# KiCad board SCART_switcher.kicad_pcb (continued)
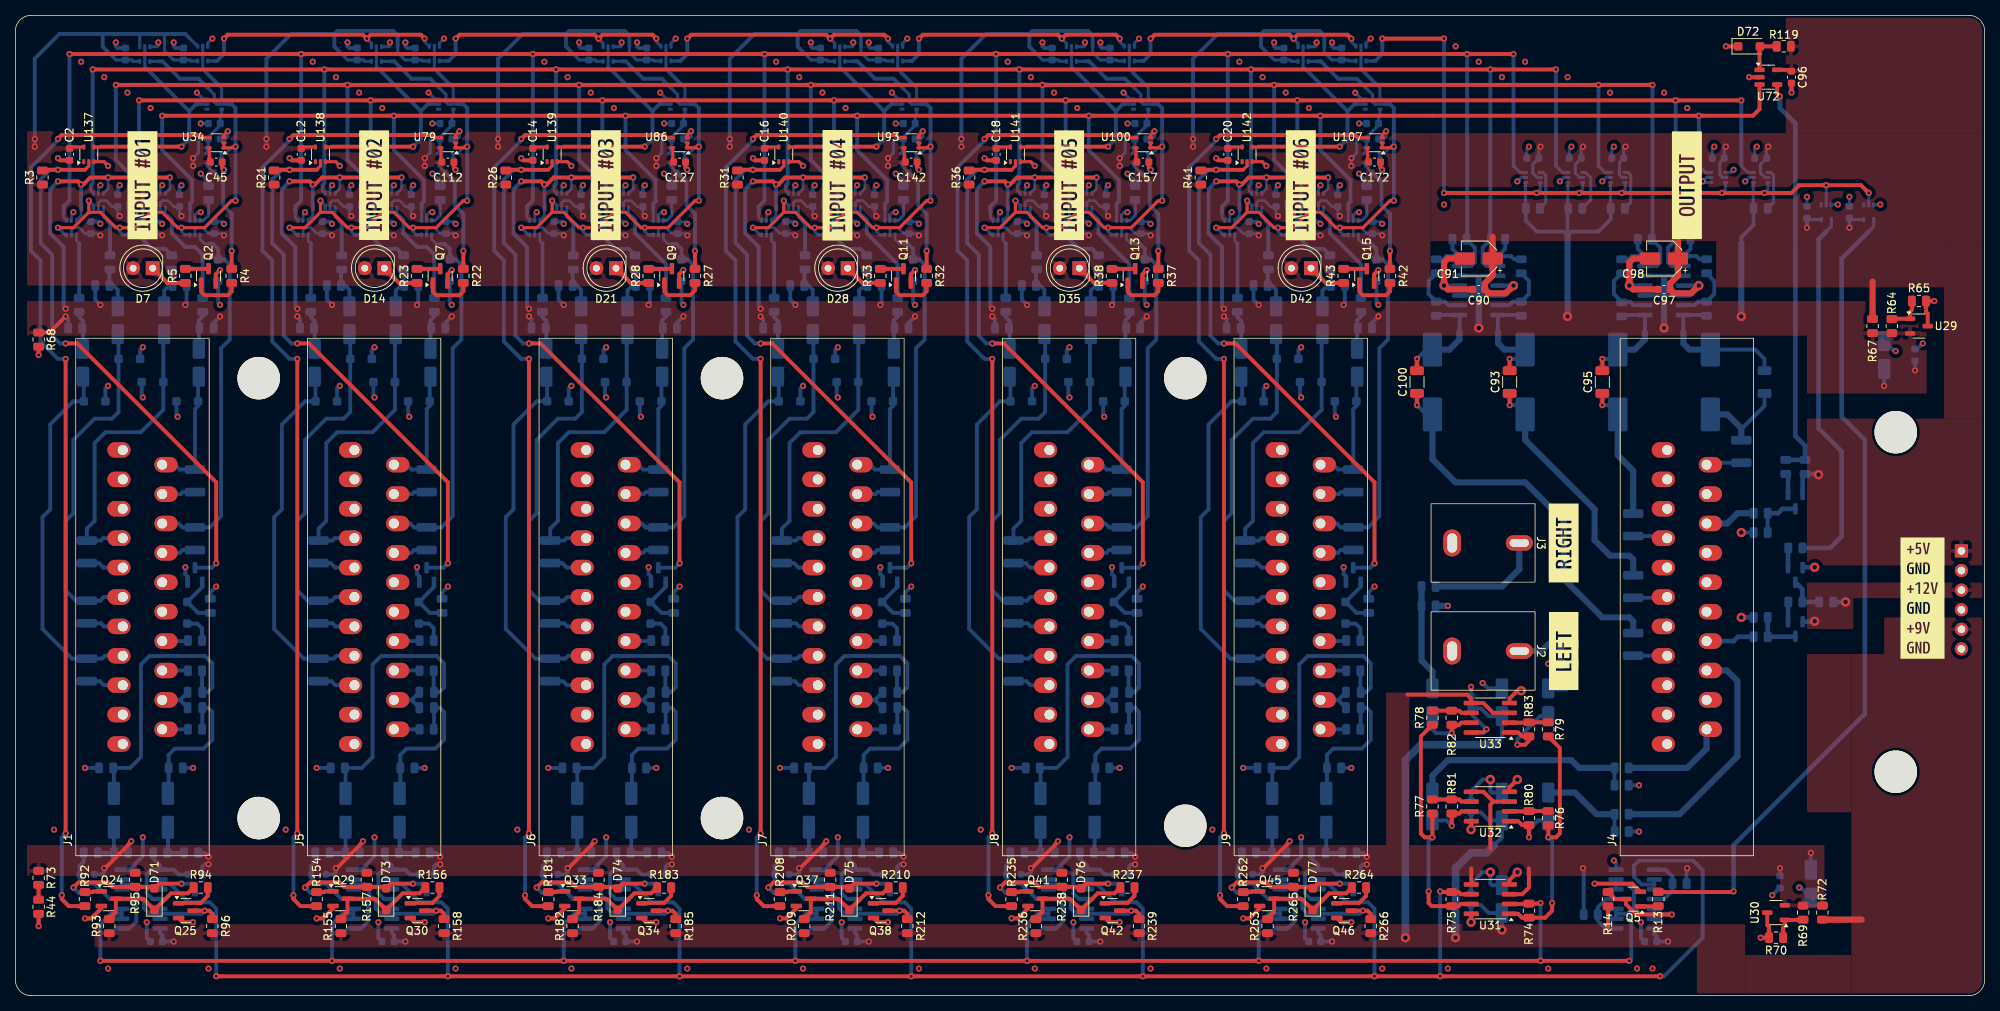
[diagram p0: board, top side]
## Routing (per net, layer and track width the routed paths; a pad name or vN(x,y) marks a point on that pad's centre or on a via; arc(x,y) is an arc through that point) (continued)
  Top w0.5: v1(23,9.5) 21.67,9.5 Q25.2 ; Q45.2 161.12,11.3 159.82,10 v1(159,10) ; v1(177,107) 176.77,107.22 C172.2 ; v1(69,10) 69.82,10 71.12,11.3 Q33.2 ; C157.2 146.77,107.22 v1(147,107) ; v1(113,9.5) 111.67,9.5 Q38.2 ; C45.2 26.77,107.22 v1(27,107) ; Q13.2 145.95,93.45 v1(146.5,94) ; v2(194.5,28) 193.47,26.97 U32.4 ; Q9.2 85.95,93.45 v1(86.5,94) ; v1(5.5,108.5) 5.77,108.22 C2.2 ; U29.3 247.64,88.36 247.41,88.59 R65.2 v1(248.5,90) ; v1(125.5,108.5) 125.77,108.22 C18.2 ; v1(143,9.5) 141.67,9.5 Q42.2 ; Q34.2 81.67,9.5 v1(83,9.5) ; v1(95.5,108.5) 95.77,108.22 C16.2 ; v1(87,107) 86.77,107.22 C127.2 ; U72.2 v1(224.5,119) ; Q15.2 175.95,93.45 v1(176.5,94) ; C142.2 116.77,107.22 v1(117,107) ; Q24.2 11.12,11.3 9.82,10 v1(9,10) ; Q41.2 131.12,11.3 129.82,10 v1(129,10) ; Q2.2 25.95,93.45 v1(26.5,94) ; U31.4 193.47,14.97 v2(194.5,16) ; Q46.2 171.67,9.5 v1(173,9.5) ; D72.1 v1(221.5,123) ; v1(99,10) 99.82,10 101.12,11.3 Q37.2 ; Q30.2 51.67,9.5 v1(53,9.5) ; v1(116.5,94) 115.95,93.45 Q11.2 ; v2(195,39.5) 194.5,39.5 193.47,38.47 U33.4 ; R44.2 v1(3,9) ; C14.2 65.77,108.22 v1(65.5,108.5) ; Q7.2 55.95,93.45 v1(56.5,94) ; C20.2 155.77,108.22 v1(155.5,108.5) ; v1(226,7.5) R70.2 227.09,8.91 226.86,9.14 U30.3 ; v1(57,107) 56.77,107.22 C112.2 ; v1(39,10) 39.82,10 41.12,11.3 Q29.2 ; C96.2 v1(230,117) ; v1(35.5,108.5) 35.77,108.22 C12.2 ; v1(3,83) R68.2 ; Q5.2 209.39,14.5 v1(204.5,14.5)
  Top w0.8: C98.2 209.5,95.5 209,95 v2(209,92) 209.5,91.5 C97.2 ; C91.2 185.5,95.5 185,95 v2(185,92) 185.5,91.5 C90.2
  Bottom w0.35: v1(71,105) 70.75,104.75 U81.2 ; C137.2 116.72,100.27 v1(117,100) ; U102.2 160.75,104.75 v1(161,105) ; U77.2 37.25,101.25 v1(37.5,101.5) ; v1(157.5,101.5) 157.25,101.25 U105.2 ; U63.2 7.25,101.25 v1(7.5,101.5) ; U88.2 100.75,104.75 v1(101,105) ; U74.2 40.75,104.75 v1(41,105) ; U64.2 18.75,104.75 v1(19,105) ; v1(109,105) 108.75,104.75 U92.2 ; U96.2 135.25,101.25 v1(135.5,101.5) ; U60.2 10.75,104.75 v1(11,105) ; U82.2 75.25,101.25 v1(75.5,101.5) ; v1(97.5,101.5) 97.25,101.25 U91.2 ; v1(165.5,101.5) 165.25,101.25 U103.2 ; v1(105.5,101.5) 105.25,101.25 U89.2 ; v1(127.5,101.5) 127.25,101.25 U98.2 ; C122.2 86.72,100.27 v1(87,100) ; U85.2 78.75,104.75 v1(79,105) ; v1(169,105) 168.75,104.75 U106.2 ; C167.2 176.72,100.27 v1(177,100) ; U99.2 138.75,104.75 v1(139,105) ; C152.2 146.72,100.27 v1(147,100) ; C79.2 26.72,100.27 v1(27,100) ; v1(67.5,101.5) 67.25,101.25 U84.2 ; U75.2 45.25,101.25 v1(45.5,101.5) ; v1(15.5,101.5) 15.25,101.25 U61.2 ; v1(57,100) 56.72,100.27 C107.2 ; v1(131,105) 130.75,104.75 U95.2 ; U78.2 48.75,104.75 v1(49,105)
  Bottom w0.4: U45.3 114.35,116.15 v1(113.5,117) ; v1(25.5,124) 24.9,123.4 U38.3 ; U37.3 18.35,122.95 18.5,123.1 v1(18.5,123.5) ; v1(57,107) 56.7,107.3 U12.3 ; v1(194.5,105.5) 195,106 U9.2 ; C60.2 114.25,113 ; U4.3 240.7,102.5 v1(241.5,102.5) ; U42.3 84.35,116.15 v1(83.5,117) ; U47.3 114.9,123.4 v1(115.5,124) ; C11.2 57.2,111 57.5,111.3 v1(57.5,112) ; v1(177.5,112) 177.5,111.3 177.2,111 C19.2 ; v1(196,110) 195.72,109.72 C8.2 ; v1(27.5,112) 27.5,111.3 27.2,111 C1.2 ; v1(175.5,124) 174.9,123.4 U53.3 ; U46.3 108.35,122.95 108.5,123.1 v1(108.5,123.5) ; U7.2 219,106 v1(218.5,105.5) 218.65,105.35 U7.1 ; v1(224,105.5) 224.5,106 U10.2 ; U18.3 146.7,107.3 v1(147,107) ; U104.2 173.25,101.15 173.6,101.5 v1(174,101.5) ; U36.3 24.35,116.15 v1(23.5,117) ; U7.4 222.15,106.65 v1(222.5,107) ; v1(117,107) 116.7,107.3 U16.3 ; U50.3 144.9,123.4 v1(145.5,124) ; C15.2 117.2,111 117.5,111.3 v1(117.5,112) ; C5.2 201.22,109.72 v1(201.5,110) ; U97.2 143.25,101.15 143.6,101.5 v1(144,101.5) ; v1(237.5,103.5) C4.2 ; U90.2 113.25,101.15 113.6,101.5 v1(114,101.5) ; C7.2 219.72,109.72 v1(220,110) ; U39.3 54.35,116.15 v1(53.5,117) ; v1(143.5,117) 144.35,116.15 U48.3 ; U40.3 48.35,122.95 48.5,123.1 v1(48.5,123.5) ; v1(27,107) 26.7,107.3 U2.3 ; v1(236,102.5) 235.2,102.5 U3.3 ; v1(87.5,112) 87.5,111.3 87.2,111 C13.2 ; v1(55.5,124) 54.9,123.4 U41.3 ; U6.2 206,106 v1(205.5,105.5) ; v1(54,101.5) 53.6,101.5 53.25,101.15 U76.2 ; v1(173.5,117) 174.35,116.15 U51.3 ; v1(87,107) 86.7,107.3 U14.3 ; v1(147.5,112) 147.5,111.3 147.2,111 C17.2 ; C9.2 225.22,109.72 v1(225.5,110) ; U49.3 138.35,122.95 138.5,123.1 v1(138.5,123.5) ; v1(168.5,123.5) 168.5,123.1 168.35,122.95 U52.3 ; U83.2 83.25,101.15 83.6,101.5 v1(84,101.5) ; v1(200,105.5) 200.5,106 U5.2 ; v1(177,107) 176.7,107.3 U20.3 ; v1(78.5,123.5) 78.5,123.1 78.35,122.95 U43.3 ; C57.2 84.25,113 ; v1(232,103.5) C3.2 ; C51.2 24.25,113 ; C54.2 54.25,113 ; U62.2 23.25,101.15 23.6,101.5 v1(24,101.5) ; C6.2 206.72,109.72 v1(207,110) ; v1(85.5,124) 84.9,123.4 U44.3 ; C66.2 174.25,113 ; C63.2 144.25,113
  Bottom w0.5: R202.2 100.91,40.74 101.43,40.21 J7.5 ; 110.39,57.36 111.25,57.36 111.62,57.74 R198.2 ; v1(20.5,123.5) 20.5,123 20.72,122.77 C53.2 ; C40.2 190.7,39.8 v1(190,40.5) ; v1(243.5,83.5) 243.3,83.5 C31.2 ; D16.2 76.15,83.65 v1(76.5,84) ; v1(11,100) 10.72,100.27 C82.2 ; R106.2 10.81,56.04 11.39,55.46 J1.13 ; J9.4 171.31,38.31 ; 171.31,38.31 171.31,38.29 C174.2 ; 171.31,38.31 C173.2 ; C55.2 43.22,122.77 43,123 v1(43,123.5) ; v1(161,100) 160.72,100.27 C170.2 ; C162.2 137,7.47 v1(137,9.5) ; R248.2 161.06,48.24 161.46,47.84 J9.9 ; v1(132,79) 131.65,78.65 D31.2 ; v1(107,9.5) 107,7.47 C147.2 ; 111.31,38.31 111.31,38.29 C144.2 ; 111.31,38.31 J7.4 ; 111.31,38.31 C143.2 ; R84.2 v1(210.25,21.25) ; 21.31,38.31 C46.2 ; 21.31,38.31 J1.4 ; 21.31,38.31 21.31,38.29 C47.2 ; R215.2 v1(99,29.5) ; v1(50.5,123.5) 50.5,123 50.72,122.77 C56.2 ; C165.2 163.25,104.75 v1(163.5,105) ; U80.7 44.75,16.31 46.5,18.06 v1(46.5,20.5) ; R269.2 v1(159,29.5) ; v1(146,53) 145.25,52.25 R35.2 ; 170.39,57.36 171.25,57.36 171.62,57.74 R252.2 ; v1(12,79) 11.65,78.65 D3.2 ; D15.2 76.35,77.65 v1(76.5,77.5) ; C110.2 40.72,100.27 v1(41,100) ; C106.2 48.72,100.27 v1(49,100) ; v1(51,75) 50.85,75.15 D11.2 ; v1(103.5,105) 103.25,104.75 C135.2 ; C78.2 18.72,100.27 v1(19,100) ; v1(111.5,105) 111.25,104.75 C141.2 ; v1(166.5,77.5) 166.35,77.65 D36.2 ; v1(13,123.5) 13,123 13.22,122.77 C52.2 ; C126.2 81.25,104.75 v1(81.5,105) ; v1(166.5,20.5) 166.5,18.06 164.75,16.31 U108.7 ; J1.18 21.38,64.98 21.64,65.24 R114.2 ; R25.2 85.25,52.25 v1(86,53) ; 80.39,57.36 81.25,57.36 81.62,57.74 R171.2 ; C36.2 188.5,26.5 190,28 v2(191,28) 191,26.5 191.2,26.3 C39.2 ; v1(22,55.5) 22,54.6 22.3,54.3 Q1.2 ; R222.2 130.81,56.04 131.39,55.46 J8.13 ; v1(116,53) 115.25,52.25 R30.2 ; v1(146.5,89.5) 146.25,89.75 D33.2 ; R149.2 51.64,65.24 51.38,64.98 J5.18 ; v1(114,106.5) 115,105.5 R201.2 ; v1(171.5,105) 171.25,104.75 C171.2 ; U8.7 207.27,17.22 v1(207,17.5) ; J9.13 161.39,55.46 160.81,56.04 R249.2 ; D23.2 106.15,83.65 v1(106.5,84) ; v1(77,9.5) 77,7.47 C132.2 ; v1(46.5,84) 46.15,83.65 D9.2 ; R113.2 10.91,40.74 11.43,40.21 J1.5 ; C59.2 80.72,122.77 80.5,123 v1(80.5,123.5) ; R162.2 v1(53,29.5) ; v1(52,55.5) 52,54.6 52.3,54.3 Q6.2 ; v1(56.5,89.5) 56.25,89.75 D12.2 ; D37.2 166.15,83.65 v1(166.5,84) ; C155.2 130.72,100.27 v1(131,100) ; Q8.2 82.3,54.3 82,54.6 v1(82,55.5) ; R161.2 v1(39,29.5) ; v1(21,75) 20.85,75.15 D4.2 ; C159.2 141.31,38.29 141.31,38.31 ; v1(231,14) 231.2,14 C34.2 ; D30.2 136.15,83.65 v1(136.5,84) ; J7.18 111.38,64.98 111.64,65.24 R203.2 ; v1(106.5,77.5) 106.35,77.65 D22.2 ; Q12.2 142.3,54.3 142,54.6 v1(142,55.5) ; J8.5 131.43,40.21 130.91,40.74 R229.2 ; C120.2 73.25,104.75 v1(73.5,105) ; 51.31,38.31 C113.2 ; 51.31,38.31 J5.4 ; 51.31,38.31 51.31,38.29 C114.2 ; R141.2 40.81,56.04 41.39,55.46 J5.13 ; v1(141,75) 140.85,75.15 D32.2 ; R230.2 141.64,65.24 141.38,64.98 J8.18 ; R20.2 55.25,52.25 v1(56,53) ; D40.2 176.25,89.75 v1(176.5,89.5) ; C117.2 47,7.47 v1(47,9.5) ; v2(223.5,60) R128.2 ; v1(110.5,123.5) 110.5,123 110.72,122.77 C62.2 ; v1(79,100) 78.72,100.27 C121.2 ; R112.2 25,105.5 v1(24,106.5) ; v1(144,106.5) 145,105.5 R228.2 ; D38.2 161.65,78.65 v1(162,79) ; v1(76.5,20.5) 76.5,18.06 74.75,16.31 U87.7 ; C58.2 73.22,122.77 73,123 v1(73,123.5) ; R167.2 71.06,48.24 71.46,47.84 J6.9 ; v1(141.5,105) 141.25,104.75 C156.2 ; C177.2 167,7.47 v1(167,9.5) ; R109.2 21.62,57.74 21.25,57.36 20.39,57.36 ; D39.2 170.85,75.15 v1(171,75) ; R257.2 171.64,65.24 171.38,64.98 J9.18 ; R216.2 v1(113,29.5) ; R100.2 v1(23,29.5) ; v1(17,9.5) 17,7.47 C50.2 ; C30.2 246.27,83.77 v1(247,84.5) ; v1(16.5,20.5) 16.5,18.06 14.75,16.31 U35.7 ; 210.95,7 210.5,7.45 v1(210.5,9.5) ; D19.2 86.25,89.75 v1(86.5,89.5) ; D10.2 41.65,78.65 v1(42,79) ; R148.2 40.91,40.74 41.43,40.21 J5.5 ; J7.13 101.39,55.46 100.81,56.04 R195.2 ; v1(13.5,105) 13.25,104.75 C77.2 ; C105.2 43.25,104.75 v1(43.5,105) ; v1(101,100) 100.72,100.27 C140.2 ; R40.2 175.25,52.25 v1(176,53) ; C136.2 108.72,100.27 v1(109,100) ; v1(133.5,105) 133.25,104.75 C150.2 ; D5.2 26.25,89.75 v1(26.5,89.5) ; R168.2 70.81,56.04 71.39,55.46 J6.13 ; J6.18 81.38,64.98 81.64,65.24 R176.2 ; v1(26,53) 25.25,52.25 R2.2 ; 141.31,38.31 J8.4 ; 141.31,38.31 C158.2 ; U71.11 v2(185,92) ; 81.31,38.31 81.31,38.29 C129.2 ; 81.31,38.31 C128.2 ; 81.31,38.31 J6.4 ; C111.2 51.25,104.75 v1(51.5,105) ; v1(84,106.5) 85,105.5 R174.2 ; v1(112,55.5) 112,54.6 112.3,54.3 Q10.2 ; R221.2 131.06,48.24 131.46,47.84 J8.9 ; C83.2 21.25,104.75 v1(21.5,105) ; v1(139,100) 138.72,100.27 C151.2 ; U101.7 134.75,16.31 136.5,18.06 v1(136.5,20.5) ; R175.2 70.91,40.74 71.43,40.21 J6.5 ; v1(81,75) 80.85,75.15 D18.2 ; v1(169,100) 168.72,100.27 C166.2 ; R189.2 v1(83,29.5) ; D8.2 46.35,77.65 v1(46.5,77.5) ; D1.2 16.35,77.65 v1(16.5,77.5) ; v1(174,106.5) 175,105.5 R255.2 ; v1(106.5,20.5) 106.5,18.06 104.75,16.31 U94.7 ; v1(170.5,123.5) 170.5,123 170.72,122.77 C68.2 ; v1(136.5,77.5) 136.35,77.65 D29.2 ; 50.39,57.36 51.25,57.36 51.62,57.74 R144.2 ; v1(103,123.5) 103,123 103.22,122.77 C61.2 ; v1(102,79) 101.65,78.65 D24.2 ; C125.2 70.72,100.27 v1(71,100) ; R147.2 55,105.5 v1(54,106.5) ; C35.2 188.5,14.5 190,16 v2(191,16) 191,14.5 191.2,14.3 C38.2 ; v1(172,55.5) 172,54.6 172.3,54.3 Q14.2 ; v1(133,123.5) 133,123 133.22,122.77 C64.2 ; R243.2 v1(143,29.5) ; J7.9 101.46,47.84 101.06,48.24 R194.2 ; D25.2 110.85,75.15 v1(111,75) ; C65.2 140.72,122.77 140.5,123 v1(140.5,123.5) ; R256.2 160.91,40.74 161.43,40.21 J9.5 ; D17.2 71.65,78.65 v1(72,79) ; v1(227.5,13) 228.45,13.95 C33.2 ; R242.2 v1(129,29.5) ; R270.2 v1(173,29.5) ; C37.2 v1(188.5,40) ; J5.9 41.46,47.84 41.06,48.24 R140.2 ; v1(16.5,84) 16.15,83.65 D2.2 ; C67.2 163.22,122.77 163,123 v1(163,123.5) ; D26.2 116.25,89.75 v1(116.5,89.5) ; J1.9 11.46,47.84 11.06,48.24 R105.2 ; R99.2 v1(9,29.5) ; U73.11 v2(209,92) ; R225.2 141.62,57.74 141.25,57.36 140.39,57.36 ; R188.2 v1(69,29.5) ; R85.2 v1(210.25,27.25)
  Bottom w0.6: v2(223.5,49) R9.2 ; Q3.2 231.51,55.5 v2(233,55.5)
  Bottom w0.8: v1(185.5,50.5) R86.2 ; R87.2 v1(198.5,43)
  vias: v1(5,21.5) v1(8.5,121) v1(11.5,119) v1(12,3.5) v1(14.5,117) v1(17.5,115) v1(24,113) v1(25,3.5) v1(35,21.5) v1(38.5,121) v1(41.5,119) v1(42,3.5) v1(44.5,117) v1(47.5,115) v1(54,113) v1(57,3.5) v1(65,21.5) v1(68.5,121) v1(71.5,119) v1(72,3.5) v1(74.5,117) v1(77.5,115) v1(84,113) v1(87,3.5) v1(95,21.5) v1(98.5,121) v1(101.5,119) v1(102,3.5) v1(104.5,117) v1(107.5,115) v1(114,113) v1(117,3.5) v1(125,21.5) v1(128.5,121) v1(131.5,119) v1(132,3.5) v1(134.5,117) v1(137.5,115) v1(144,113) v1(147,3.5) v1(155,21.5) v1(158.5,121) v1(161.5,119) v1(162,3.5) v1(164.5,117) v1(167.5,115) v1(174,113) v1(177,3.5) v1(185,102.5) v1(185.5,3.5) v1(186.5,123) v1(189.5,121) v1(192.5,119) v1(195.5,121) v1(198.5,3.5) v1(201,119) v1(206.5,117) v1(210,3.5) v1(212,3.5) v1(213.5,117) v1(216.5,115)
/AUDIO_LEFT: length 274.3
  Top w0.5: v1(209,4.5) v1(197.5,4.5) v1(161,4.5) v1(131,4.5) v1(101,4.5) v1(71,4.5) v1(41,4.5) v1(11,4.5) ; v1(197.5,12) 197.41,11.91 R74.1 195.95,11.86 U31.2
  Bottom w0.5: v1(209,4.5) 209.25,4.75 209.25,10.15 208.8,10.6 207.27,10.6 ; U94.3 U94.2 ; U87.3 U87.2 ; 13.67,10.6 12.35,10.6 11,9.25 v1(11,4.5) ; U101.3 U101.2 ; v1(101,4.5) 101,9.25 ; 73.67,10.6 72.35,10.6 71,9.25 v1(71,4.5) ; U108.3 U108.2 ; 103.67,10.6 102.35,10.6 101,9.25 ; 161,9.25 162.35,10.6 163.67,10.6 ; 207.27,10.6 U8.2 ; 207.27,10.6 U8.3 ; v1(161,4.5) 161,9.25 ; 43.67,10.6 42.35,10.6 41,9.25 v1(41,4.5) ; v1(197.5,12) v1(197.5,4.5) ; U35.3 U35.2 ; 133.67,10.6 132.35,10.6 131,9.25 ; v1(131,4.5) 131,9.25 ; U80.3 U80.2
/AUDIO_RIGHT: length 345
  Top w0.5: U31.6 187.16,13.13 186.89,13.41 R75.1 184.59,13.41 v1(184.5,13.5) ; 213,2.6 212.9,2.5 v1(184.5,2.5) v1(176,2.5) v1(146,2.5) v1(116,2.5) v1(86,2.5) v1(56,2.5) v1(26,2.5)
  Bottom w0.5: v1(86,2.5) 86,11.25 85.16,12.09 82.41,12.09 80.1,14.4 78.82,14.4 ; v1(56,2.5) 56,11.25 55.16,12.09 52.41,12.09 50.1,14.4 48.82,14.4 ; U108.9 U108.10 ; 212.22,14.4 210.6,14.4 209.6,15.4 209.6,16.85 210.25,17.5 217.25,17.5 218.5,16.25 218.5,7.5 213.5,2.5 v1(213,2.5) ; 212.22,14.4 U8.10 ; 212.22,14.4 U8.9 ; 146,11.25 145.16,12.09 142.41,12.09 140.1,14.4 138.82,14.4 ; 116,11.25 115.16,12.09 112.41,12.09 110.1,14.4 108.82,14.4 ; U80.9 U80.10 ; v1(26,2.5) 26,11.25 25.16,12.09 22.41,12.09 20.1,14.4 18.82,14.4 ; U94.9 U94.10 ; v1(146,2.5) 146,11.25 ; v1(116,2.5) 116,11.25 ; 176,11.25 175.16,12.09 172.41,12.09 170.1,14.4 168.82,14.4 ; v1(184.5,13.5) v1(184.5,2.5) ; v1(176,2.5) 176,11.25 ; U35.9 U35.10 ; U87.9 U87.10 ; U101.9 U101.10
/BLANKING: length 310.5
  Top w0.5: v1(19,114) v1(49,114) v1(79,114) v1(109,114) v1(139,114) v1(169,114) v1(218,114) 225,114 225.86,114.86 U72.3
  Bottom w0.35: 82.6,101.8 U83.1 ; 22.6,101.8 U62.1 ; 172.6,101.8 U104.1 ; 142.6,101.8 U97.1 ; 112.6,101.8 U90.1 ; 52.6,101.8 U76.1
  Bottom w0.4: U7.3 218.85,106.65 218,107.5
  Bottom w0.5: v1(169,114) 169,109.55 172.9,105.65 172.9,102.9 172.6,102.6 172.6,101.8 ; 112.6,101.8 112.6,102.6 112.9,102.9 112.9,105.65 109,109.55 v1(109,114) ; v1(79,114) 79,109.55 82.9,105.65 82.9,102.9 82.6,102.6 82.6,101.8 ; 142.6,101.8 142.6,102.6 142.9,102.9 142.9,105.65 139,109.55 v1(139,114) ; 52.6,101.8 52.6,102.6 52.9,102.9 52.9,105.65 49,109.55 v1(49,114) ; v1(19,114) 19,109.55 22.9,105.65 22.9,102.9 22.6,102.6 22.6,101.8 ; 218,107.5 v1(218,114)
/BLUE: length 365.1
  Top w0.5: v1(194,122) v1(188,122) v1(157,122) v1(127,122) v1(97,122) v1(67,122) v1(37,122) v1(7,122)
  Bottom w0.35: U98.1 126.25,100.8 126.25,101.37 ; 96.25,101.37 96.25,100.8 U91.1 ; 156.25,101.37 156.25,100.8 U105.1 ; U84.1 66.25,100.8 66.25,101.37 ; 6.25,101.37 6.25,100.8 U63.1 ; 36.25,101.37 36.25,100.8 U77.1
  Bottom w0.4: 194,107.5 194.85,106.65 U9.3
  Bottom w0.5: 36.25,101.37 36.25,102.25 37,103 v1(37,122) ; v1(157,122) 157,103 156.25,102.25 156.25,101.37 ; 6.25,101.37 6.25,102.25 7,103 v1(7,122) ; U71.13 188.54,94.54 189,95 189,96.91 R132.1 188,98.09 v1(188,122) ; v1(97,122) 97,103 96.25,102.25 96.25,101.37 ; v1(67,122) 67,103 66.25,102.25 66.25,101.37 ; v1(127,122) 127,103 126.25,102.25 126.25,101.37 ; 194,107.5 v1(194,122)
/GREEN: length 329.3
  Top w0.5: v1(10,120) v1(40,120) v1(70,120) v1(100,120) v1(130,120) v1(160,120) v1(191,120) v1(199.5,120)
  Bottom w0.35: 39.75,105 39.75,104.3 U74.1 ; 159.75,105 159.75,104.3 U102.1 ; U88.1 99.75,104.3 99.75,105 ; 129.75,105 129.75,104.3 U95.1 ; U81.1 69.75,104.3 69.75,105 ; U60.1 9.75,104.3 9.75,105
  Bottom w0.4: 199.5,107.5 200.35,106.65 U5.3
  Bottom w0.5: 129.75,105 130,105.25 v1(130,120) ; U71.2 190.46,94.54 190,95 190,96.91 R120.1 191,98.09 v1(191,120) ; v1(100,120) 100,105.25 99.75,105 ; 199.5,107.5 v1(199.5,120) ; v1(40,120) 40,105.25 39.75,105 ; v1(10,120) 10,105.25 9.75,105 ; 159.75,105 160,105.25 v1(160,120) ; 69.75,105 70,105.25 v1(70,120)
/RED: length 348.3
  Top w0.5: v1(212,118) v1(163,118) v1(133,118) v1(103,118) v1(73,118) v1(43,118) v1(13,118)
  Bottom w0.35: 14.6,102.1 U61.1 ; 134.6,102.1 U96.1 ; 164.6,102.1 U103.1 ; 44.6,102.1 U75.1 ; 74.6,102.1 U82.1 ; 104.6,102.1 U89.1
  Bottom w0.4: 205,107.5 205.85,106.65 U6.3
  Bottom w0.5: v1(43,118) 43,108.25 45,106.25 45,103.2 44.6,102.8 44.6,102.1 ; U73.13 212.54,94.54 213,95 213,96.91 R121.1 212,98.09 v1(212,118) ; v1(103,118) 103,108.25 105,106.25 105,103.2 104.6,102.8 104.6,102.1 ; 134.6,102.1 134.6,102.8 135,103.2 135,106.25 133,108.25 v1(133,118) ; 164.6,102.1 164.6,102.8 165,103.2 165,106.25 163,108.25 v1(163,118) ; v1(13,118) 13,108.25 15,106.25 15,103.2 14.6,102.8 14.6,102.1 ; v1(73,118) 73,108.25 75,106.25 75,103.2 74.6,102.8 74.6,102.1 ; 205,107.5 v1(205,118)
/SCART input 1/Audio input stage/AUDIO_OUT_ENABLE: length 19.3
  Top w0.5: Q25.3 25.1,11 25.5,10.6 R96.2
  Bottom w0.5: 13.77,14.4 U35.5 ; 13.77,14.4 U35.6 ; 13.77,14.4 15.15,14.4 15.8,13.75 15.8,13.03 16.65,12.18 16.65,11.3 17.35,10.6 18.72,10.6 ; U35.12 18.72,10.6 ; 18.72,10.6 U35.13 ; 18.72,10.6 24.1,10.6 v1(24.5,11)
/SCART input 1/Audio input stage/MUTE: length 19.8
  Top w0.5: v1(21.5,14.5) 18.6,14.5 D71.2 17.81,14.09 R95.1 ; 15.59,14 R95.1 ; R95.1 12.55,14.09 11.96,14.67 8.17,14.67 v1(7.5,14)
  Bottom w0.5: Q26.3 8.2,13.3 v1(7.5,14) ; v1(21.5,14.5) 23,14.5 23.25,14.25 Q27.3
/SCART input 1/AUDIO_LEFT_SCART_IN: length 3.3
  Bottom w0.5: R97.1 22.32,42.12 J1.6
/SCART input 1/AUDIO_RIGHT_SCART_IN: length 3.3
  Bottom w0.5: J1.2 R98.1
/SCART input 1/BLANKING_SCART_IN: length 48
  Bottom w0.35: U62.4 23.9,98 24.5,97.4 25.1,97.4
  Bottom w0.5: 25.1,97.4 25.6,97.4 26.25,96.75 D5.1 27.05,95.4 27.75,94.7 27.75,85 26.62,83.87 26.62,62.12 25.16,60.66 R109.1 21.64,60.66 21.13,61.17 J1.16
/SCART input 1/BLUE_SCART_IN: length 47.9
  Bottom w0.5: C80.2 8.85,80.1 D3.1 7.5,77 4.5,74 4.5,63 3.5,62 3.5,47.5 7.34,43.66 R113.1 11.21,43.66 11.57,44.02 13.9,44.02
/SCART input 1/CARRY_OUT: length 33.8
  Top w0.5: v1(27,124) 27.5,124.5 45,124.5 v1(45.5,124) 46,124.5 52.5,124.5 v1(52.99,124.01)
  Bottom w0.4: v1(45.5,124) 46.1,123.4 U40.1 ; v1(52.99,124.01) 52.99,123.61 U41.1 ; U38.4 25.8,121.1
  Bottom w0.5: v1(27,124) 27,122 26.1,121.1 25.8,121.1
/SCART input 1/FUNCTION_SCART_IN: length 3.4
  Bottom w0.5: J1.8 22.27,45.93 R1.1
/SCART input 1/GREEN_SCART_IN: length 45.6
  Top w0.135: 14,51.75 13.95,51.7
  Bottom w0.5: J1.11 11.45,51.65 10.96,51.16 R105.1 7.84,51.16 6.5,52.5 6.5,61.5 7.5,62.5 7.5,72 10.25,74.75 12.5,74.75 13.35,75.6 D2.1 13.35,85.6 C75.2
/SCART input 1/IN_ACTIVE: length 29.8
  Top w0.4: U137.4 10.95,109.95 11,110
  Top w0.5: 11,110 v1(21.5,110)
  Bottom w0.4: U36.2 23.7,115.5 ; 17.2,119.9 16.75,120.35 U37.2
  Bottom w0.5: 17.2,119.9 22.5,114.6 ; 22.5,114.6 22.5,111 v1(21.5,110) ; 22.5,114.6 23.4,115.5 23.7,115.5
/SCART input 1/IN_ENABLE: length 69.4
  Top w0.4: 9.5,101.5 11,101.5 13,99.5 v1(13.5,99.5) 15.5,99.5 17.5,101.5 ; 9.5,101.5 v1(9.5,103) ; 9.5,101.5 7.5,99.5 v1(5.5,99.5) ; v1(28.5,110) 28.35,109.85 U34.1 U34.2 ; 17.5,101.5 19,101.5 21,99.5 v1(21.5,99.5) 24.5,99.5 28,103 v1(28.5,103) ; 17.5,101.5 v1(17.5,103)
  Bottom w0.4: 27.37,115.5 26.05,115.5 25.75,115.8 25.75,116.75 24.9,117.6 ; U62.6 21.95,98.55 21.5,99 v1(21.5,99.5) ; v1(17.5,103) 18.1,102.4 U64.6 ; v1(9.5,103) 10.1,102.4 U60.6 ; 18.55,121.05 U37.4 ; v1(13.5,99.5) 13.5,99 13.95,98.55 U61.6 ; U63.6 6.45,98.55 v1(5.5,99.5) ; U2.2 U2.1 27.25,109.15 28.1,110 v1(28.5,110)
  Bottom w0.5: 24.9,117.6 23.7,118.8 21.3,118.8 19.05,121.05 18.55,121.05 ; 27.37,115.5 28,115.5 28.5,115 v1(28.5,110) v1(28.5,103)
/SCART input 1/RED_SCART_IN: length 38.3
  Bottom w0.5: 13.9,59.26 11.36,59.26 11.06,58.96 R106.1 9.25,60.5 10.25,61.5 10.25,71.59 11.66,73 16.25,73 19.15,75.9 D1.1 19.15,85.6 C76.2
/SCART input 1/VIDEO_RGB_SYNC_SCART_IN: length 16.8
  Bottom w0.5: J1.20 20.66,68.79 21.29,68.16 R114.1 23.25,76 23.65,76.4 D4.1 23.65,80.1 C81.2
/SCART input 2/Audio input stage/AUDIO_OUT_ENABLE: length 19.3
  Top w0.5: Q30.3 55.1,11 55.5,10.6 R158.2
  Bottom w0.5: U80.6 43.77,14.4 ; 43.77,14.4 U80.5 ; 43.77,14.4 45.15,14.4 45.8,13.75 45.8,13.03 46.65,12.18 46.65,11.3 47.35,10.6 48.72,10.6 ; 48.72,10.6 54.1,10.6 v1(54.5,11) ; 48.72,10.6 U80.12 ; 48.72,10.6 U80.13
/SCART input 2/Audio input stage/MUTE: length 19.8
  Top w0.5: 45.59,14 R157.1 ; R157.1 42.55,14.09 41.96,14.67 38.17,14.67 v1(37.5,14) ; R157.1 47.81,14.09 D73.2 48.6,14.5 v1(51.5,14.5)
  Bottom w0.5: Q32.3 53.25,14.25 53,14.5 v1(51.5,14.5) ; v1(37.5,14) 38.2,13.3 Q31.3
/SCART input 2/AUDIO_LEFT_SCART_IN: length 3.3
  Bottom w0.5: J5.6 52.32,42.12 R159.1
/SCART input 2/AUDIO_RIGHT_SCART_IN: length 3.3
  Bottom w0.5: J5.2 R160.1
/SCART input 2/BLANKING_SCART_IN: length 48
  Bottom w0.35: U76.4 53.9,98 54.5,97.4 55.1,97.4
  Bottom w0.5: J5.16 51.13,61.17 51.64,60.66 R144.1 55.16,60.66 56.62,62.12 56.62,83.87 57.75,85 57.75,94.7 57.05,95.4 D12.1 56.25,96.75 55.6,97.4 55.1,97.4
/SCART input 2/BLUE_SCART_IN: length 47.9
  Bottom w0.5: 43.9,44.02 41.57,44.02 41.21,43.66 R148.1 37.34,43.66 33.5,47.5 33.5,62 34.5,63 34.5,74 37.5,77 D10.1 38.85,80.1 C108.2
/SCART input 2/CARRY_OUT: length 33.8
  Top w0.5: v1(83,124) 82.5,124.5 76.03,124.5 v1(75.51,123.99) 75,124.5 57.53,124.5 57.01,123.99
  Bottom w0.4: U44.1 83,123.6 v1(83,124) ; U43.1 76.1,123.4 v1(75.51,123.99) ; U41.4 55.8,121.1
  Bottom w0.5: v1(57,124) 57,122 56.1,121.1 55.8,121.1
/SCART input 2/FUNCTION_SCART_IN: length 3.4
  Bottom w0.5: J5.8 52.27,45.93 R19.1
/SCART input 2/GREEN_SCART_IN: length 45.6
  Top w0.135: 44,51.75 43.95,51.7
  Bottom w0.5: C103.2 43.35,85.6 D9.1 43.35,75.6 42.5,74.75 40.25,74.75 37.5,72 37.5,62.5 36.5,61.5 36.5,52.5 37.84,51.16 R140.1 40.96,51.16 41.45,51.65 J5.11
/SCART input 2/IN_ACTIVE: length 29.8
  Top w0.4: U138.4 40.95,109.95 41,110
  Top w0.5: v1(51.5,110) 41,110
  Bottom w0.4: U39.2 53.7,115.5 ; U40.2 46.75,120.35 47.2,119.9
  Bottom w0.5: 53.7,115.5 53.4,115.5 52.5,114.6 ; 47.2,119.9 52.5,114.6 ; 52.5,114.6 52.5,111 v1(51.5,110)
/SCART input 2/IN_ENABLE: length 69.4
  Top w0.4: v1(39.5,103) 39.5,101.5 ; U79.2 U79.1 58.35,109.85 v1(58.5,110) ; 39.5,101.5 41,101.5 43,99.5 v1(43.5,99.5) 45.5,99.5 47.5,101.5 ; 39.5,101.5 37.5,99.5 v1(35.5,99.5) ; v1(58.5,103) 58,103 54.5,99.5 v1(51.5,99.5) 51,99.5 49,101.5 47.5,101.5 ; v1(47.5,103) 47.5,101.5
  Bottom w0.4: U74.6 40.1,102.4 v1(39.5,103) ; 54.9,117.6 55.75,116.75 55.75,115.8 56.05,115.5 57.37,115.5 ; U12.2 U12.1 57.25,109.15 58.1,110 v1(58.5,110) ; v1(51.5,99.5) 51.5,99 51.95,98.55 U76.6 ; 48.55,121.05 U40.4 ; v1(47.5,103) 48.1,102.4 U78.6 ; v1(43.5,99.5) 43.5,99 43.95,98.55 U75.6 ; v1(35.5,99.5) 36.45,98.55 U77.6
  Bottom w0.5: 57.37,115.5 58,115.5 58.5,115 v1(58.5,110) v1(58.5,103) ; 48.55,121.05 49.05,121.05 51.3,118.8 53.7,118.8 54.9,117.6
/SCART input 2/RED_SCART_IN: length 38.3
  Bottom w0.5: 43.9,59.26 41.36,59.26 41.06,58.96 R141.1 39.25,60.5 40.25,61.5 40.25,71.59 41.66,73 46.25,73 49.15,75.9 D8.1 49.15,85.6 C104.2
/SCART input 2/VIDEO_RGB_SYNC_SCART_IN: length 16.8
  Bottom w0.5: J5.20 50.66,68.79 51.29,68.16 R149.1 53.25,76 53.65,76.4 D11.1 53.65,80.1 C109.2
/SCART input 3/Audio input stage/AUDIO_OUT_ENABLE: length 19.3
  Top w0.5: R185.2 85.5,10.6 85.1,11 Q34.3
  Bottom w0.5: 78.72,10.6 U87.13 ; 78.72,10.6 84.1,10.6 v1(84.5,11) ; 78.72,10.6 77.35,10.6 76.65,11.3 76.65,12.18 75.8,13.03 75.8,13.75 75.15,14.4 73.77,14.4 ; 78.72,10.6 U87.12 ; 73.77,14.4 U87.6 ; 73.77,14.4 U87.5
/SCART input 3/Audio input stage/MUTE: length 19.8
  Top w0.5: 75.59,14 R184.1 ; R184.1 72.55,14.09 71.96,14.67 68.17,14.67 v1(67.5,14) ; R184.1 77.81,14.09 D74.2 78.6,14.5 v1(81.5,14.5)
  Bottom w0.5: Q36.3 83.25,14.25 83,14.5 v1(81.5,14.5) ; v1(67.5,14) 68.2,13.3 Q35.3
/SCART input 3/AUDIO_LEFT_SCART_IN: length 3.3
  Bottom w0.5: R186.1 82.32,42.12 J6.6
/SCART input 3/AUDIO_RIGHT_SCART_IN: length 3.3
  Bottom w0.5: J6.2 R187.1
/SCART input 3/BLANKING_SCART_IN: length 48
  Bottom w0.35: 85.1,97.4 84.5,97.4 83.9,98 U83.4
  Bottom w0.5: J6.16 81.13,61.17 81.64,60.66 R171.1 85.16,60.66 86.62,62.12 86.62,83.87 87.75,85 87.75,94.7 87.05,95.4 D19.1 86.25,96.75 85.6,97.4 85.1,97.4
/SCART input 3/BLUE_SCART_IN: length 47.9
  Bottom w0.5: 73.9,44.02 71.57,44.02 71.21,43.66 R175.1 67.34,43.66 63.5,47.5 63.5,62 64.5,63 64.5,74 67.5,77 D17.1 68.85,80.1 C123.2
/SCART input 3/CARRY_OUT: length 33.8
  Top w0.5: v1(113,124) 112.5,124.5 106.03,124.5 v1(105.51,123.99) 105,124.5 87.53,124.5 87.01,123.99
  Bottom w0.4: v1(105.51,123.99) 106.1,123.4 U46.1 ; v1(113,124) 113,123.6 U47.1 ; U44.4 85.8,121.1
  Bottom w0.5: v1(87,124) 87,122 86.1,121.1 85.8,121.1
/SCART input 3/FUNCTION_SCART_IN: length 3.4
  Bottom w0.5: J6.8 82.27,45.93 R24.1
/SCART input 3/GREEN_SCART_IN: length 45.6
  Top w0.135: 74,51.75 73.95,51.7
  Bottom w0.5: C118.2 73.35,85.6 D16.1 73.35,75.6 72.5,74.75 70.25,74.75 67.5,72 67.5,62.5 66.5,61.5 66.5,52.5 67.84,51.16 R167.1 70.96,51.16 71.45,51.65 J6.11
/SCART input 3/IN_ACTIVE: length 29.8
  Top w0.4: U139.4 70.95,109.95 71,110
  Top w0.5: v1(81.5,110) 71,110
  Bottom w0.4: U43.2 76.75,120.35 77.2,119.9 ; U42.2 83.7,115.5
  Bottom w0.5: 82.5,114.6 82.5,111 v1(81.5,110) ; 82.5,114.6 83.4,115.5 83.7,115.5 ; 82.5,114.6 77.2,119.9
/SCART input 3/IN_ENABLE: length 69.4
  Top w0.4: v1(88.5,110) 88.35,109.85 U86.1 U86.2 ; v1(65.5,99.5) 67.5,99.5 69.5,101.5 ; v1(88.5,103) 88,103 84.5,99.5 v1(81.5,99.5) 81,99.5 79,101.5 77.5,101.5 ; 77.5,101.5 75.5,99.5 v1(73.5,99.5) 73,99.5 71,101.5 69.5,101.5 ; 77.5,101.5 v1(77.5,103) ; 69.5,101.5 v1(69.5,103)
  Bottom w0.4: 84.9,117.6 85.75,116.75 85.75,115.8 86.05,115.5 87.37,115.5 ; v1(88.5,110) 88.1,110 87.25,109.15 U14.1 U14.2 ; v1(73.5,99.5) 73.5,99 73.95,98.55 U82.6 ; v1(81.5,99.5) 81.5,99 81.95,98.55 U83.6 ; 78.55,121.05 U43.4 ; v1(69.5,103) 70.1,102.4 U81.6 ; U84.6 66.45,98.55 v1(65.5,99.5) ; v1(77.5,103) 78.1,102.4 U85.6
  Bottom w0.5: 87.37,115.5 88,115.5 88.5,115 v1(88.5,110) v1(88.5,103) ; 84.9,117.6 83.7,118.8 81.3,118.8 79.05,121.05 78.55,121.05
